# Altium PCB Copy of PCB.PcbDoc (part 1 of 3)
Units mm, origin at the board's own origin, x right, y up, seen from the top; angles counter-clockwise.
Board outline 229 x 100 mm, 4 copper layers (Top Layer 1, Inner Layer 2, Inner Layer 3, Bottom Layer 4), stack 1.586 mm thick; 164 components, 97 nets, 426 pads, 765 vias.
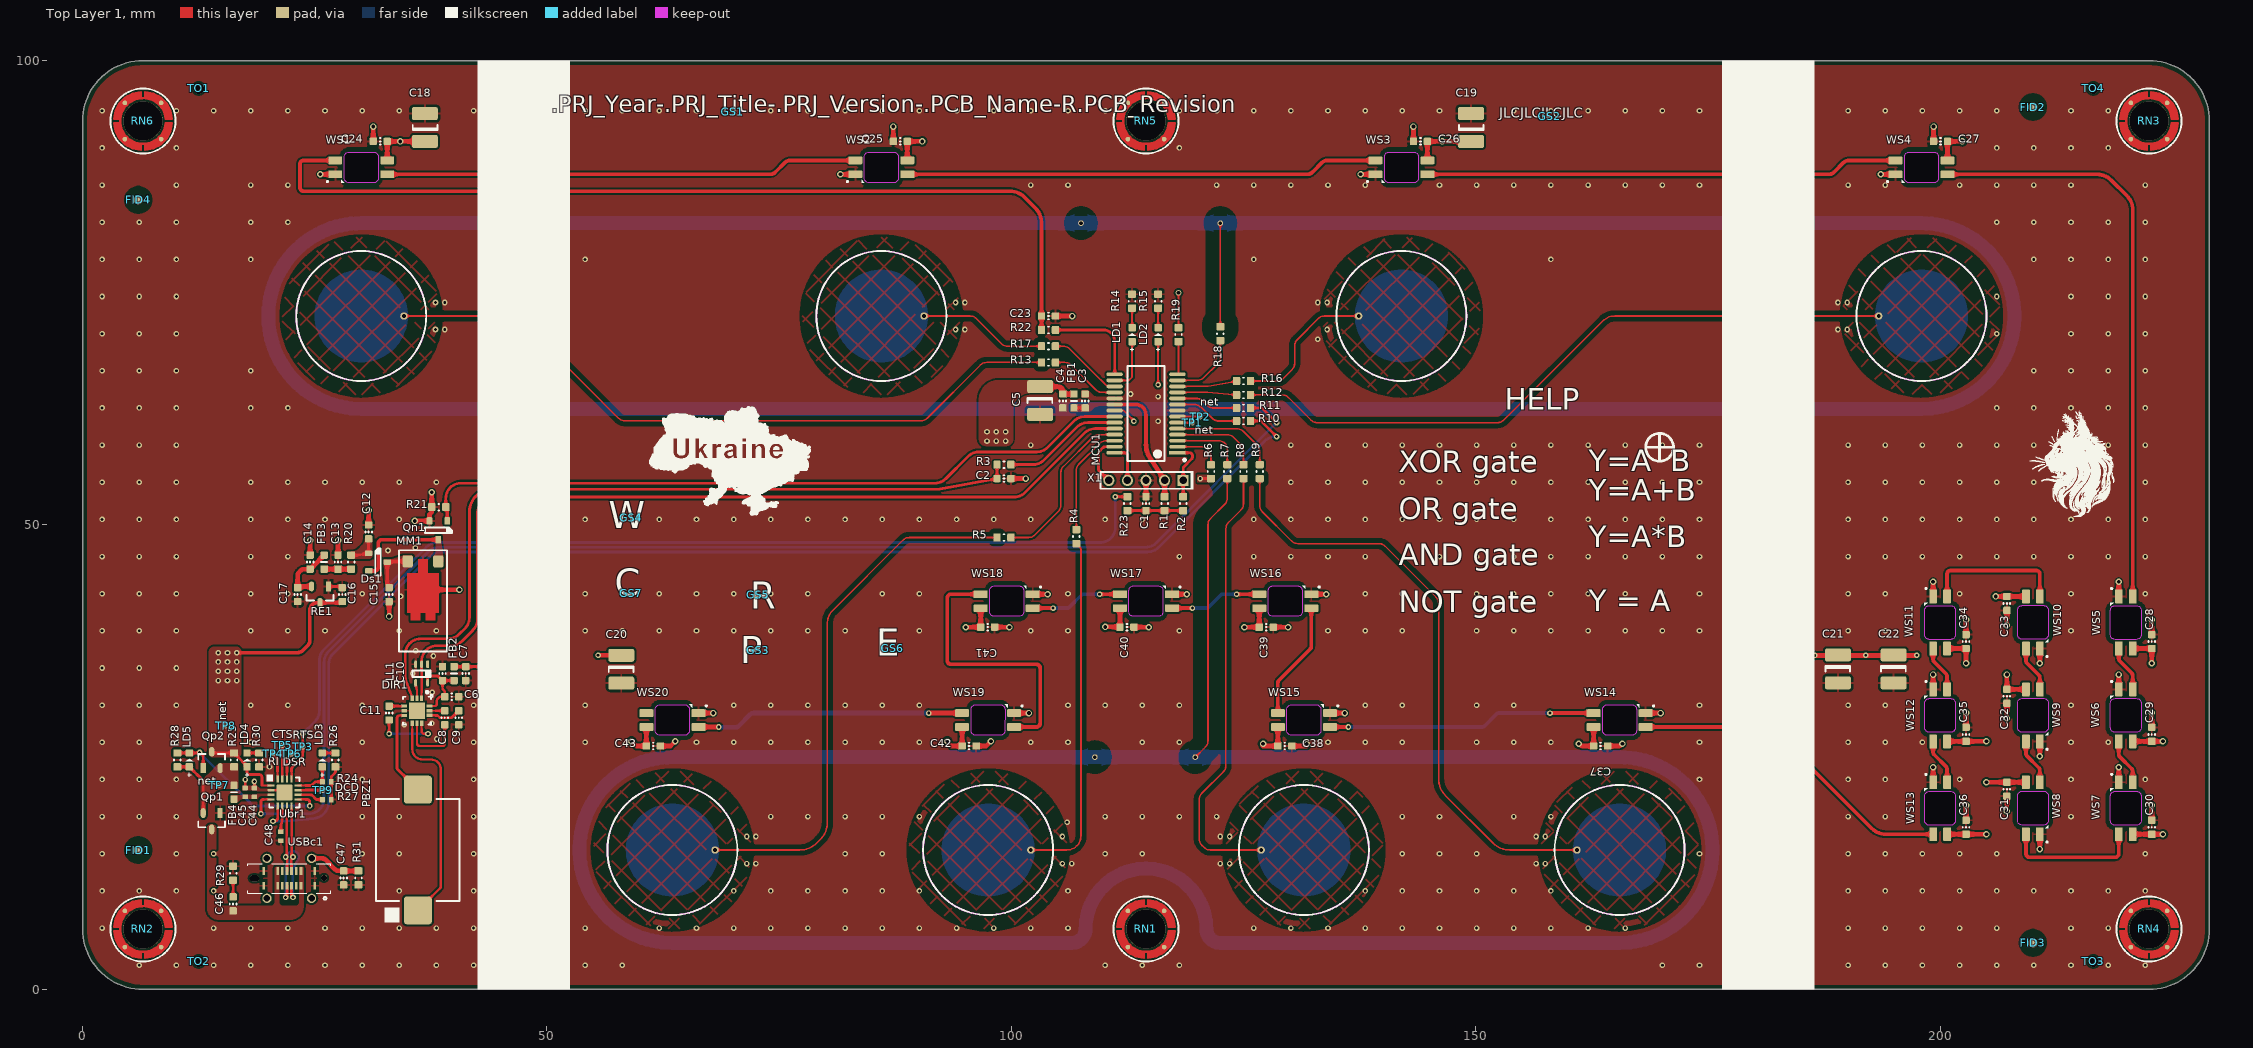
[diagram p0: Top Layer 1 view]
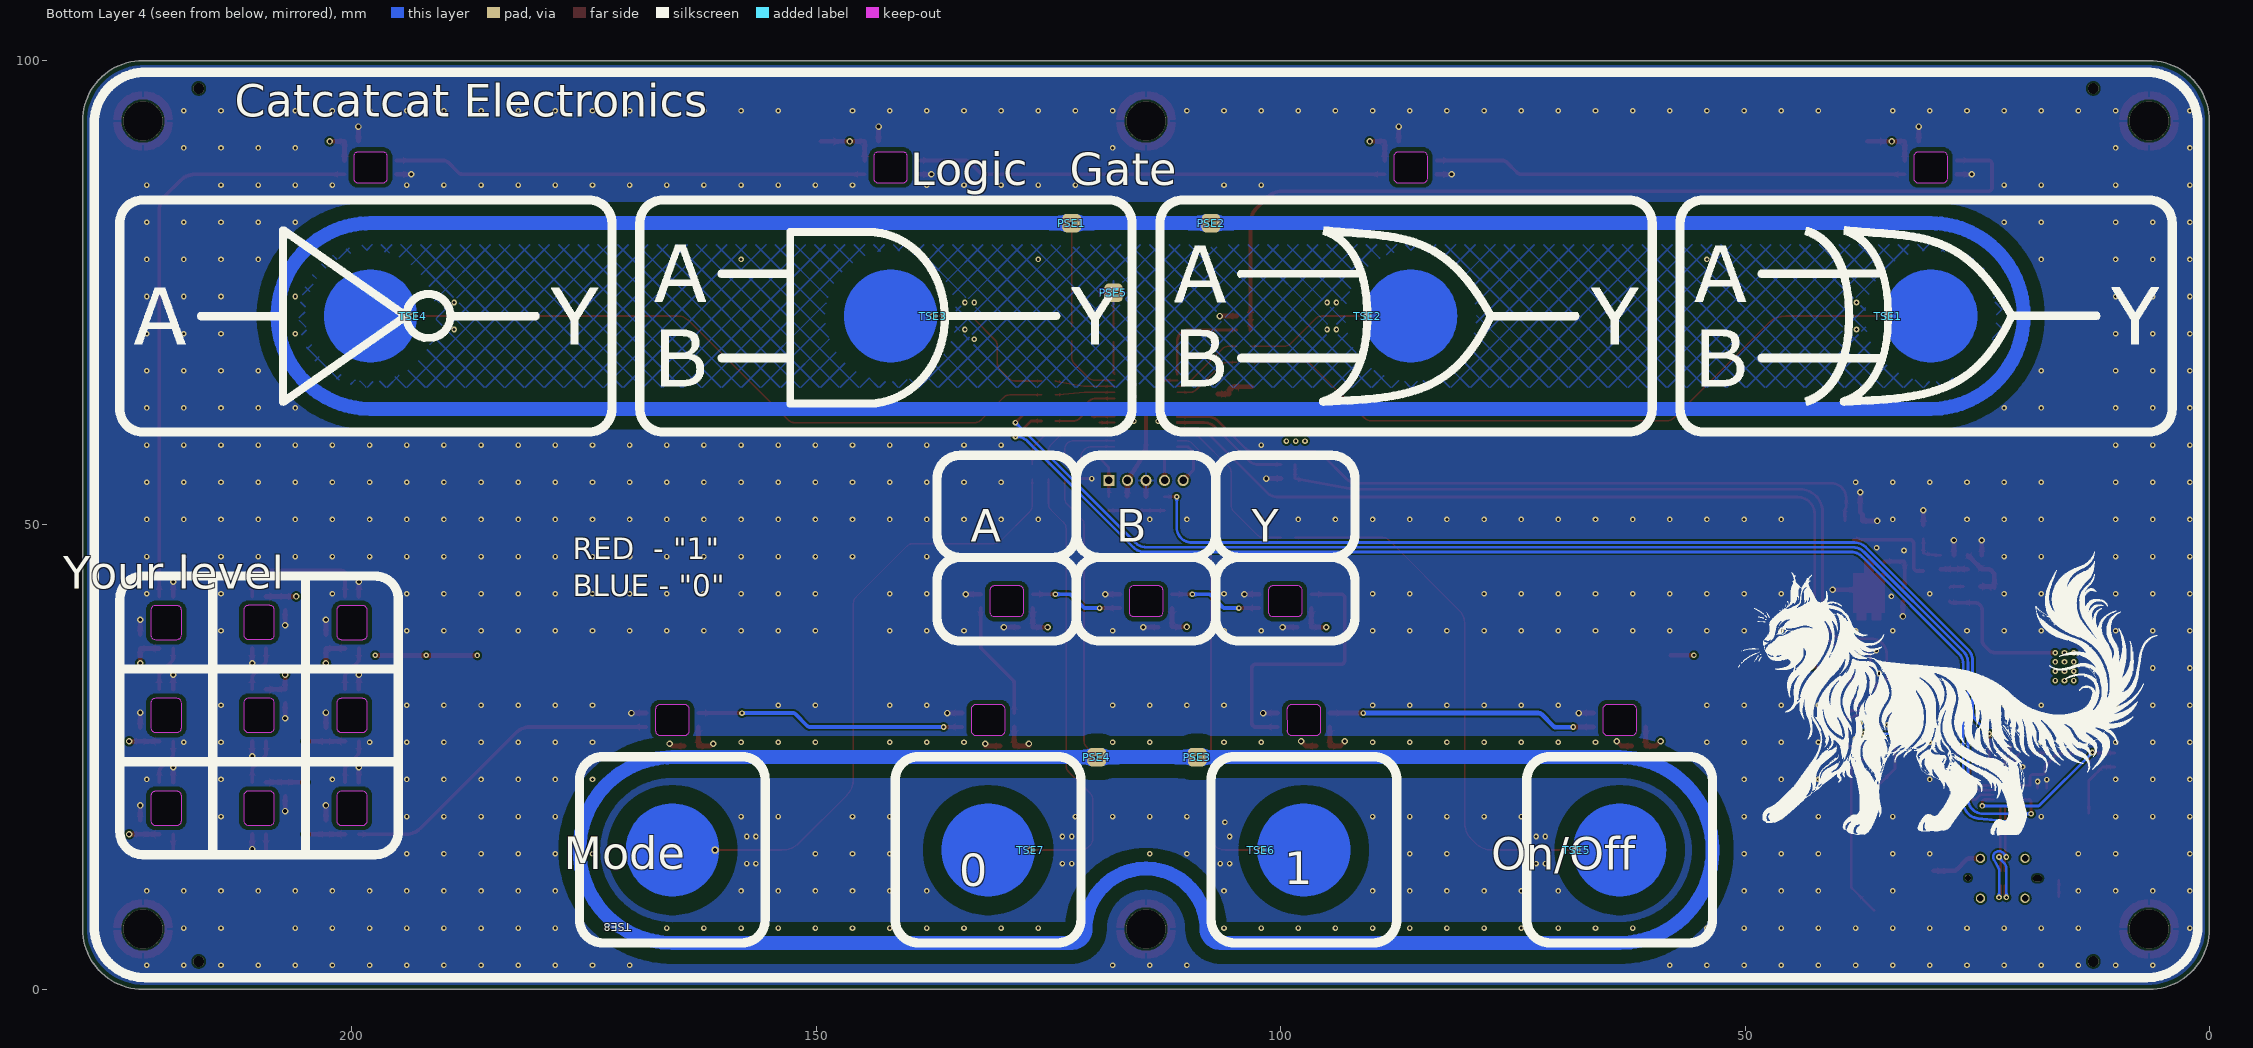
[diagram p1: Bottom Layer 4 view, seen from below]
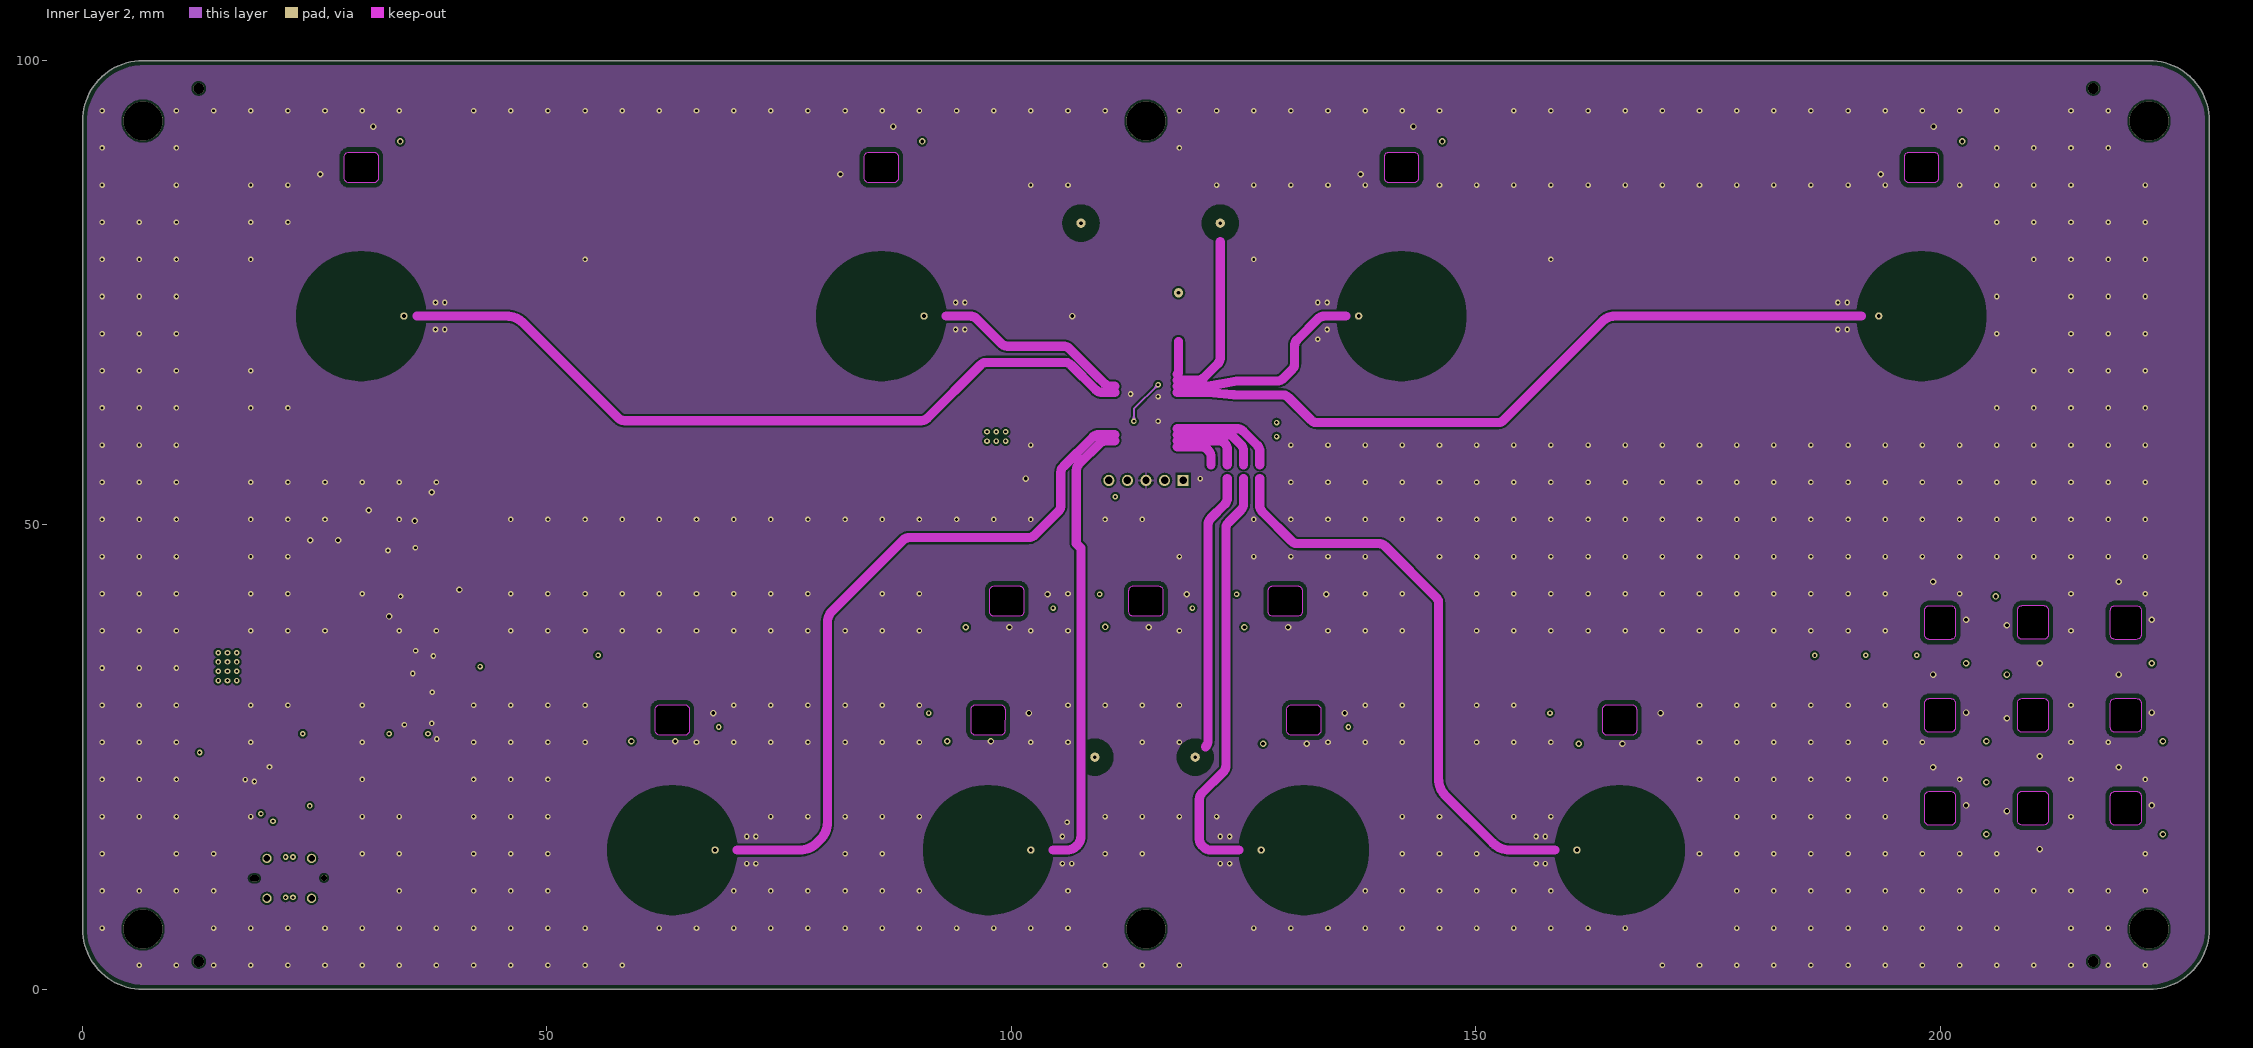
[diagram p2: Inner Layer 2]
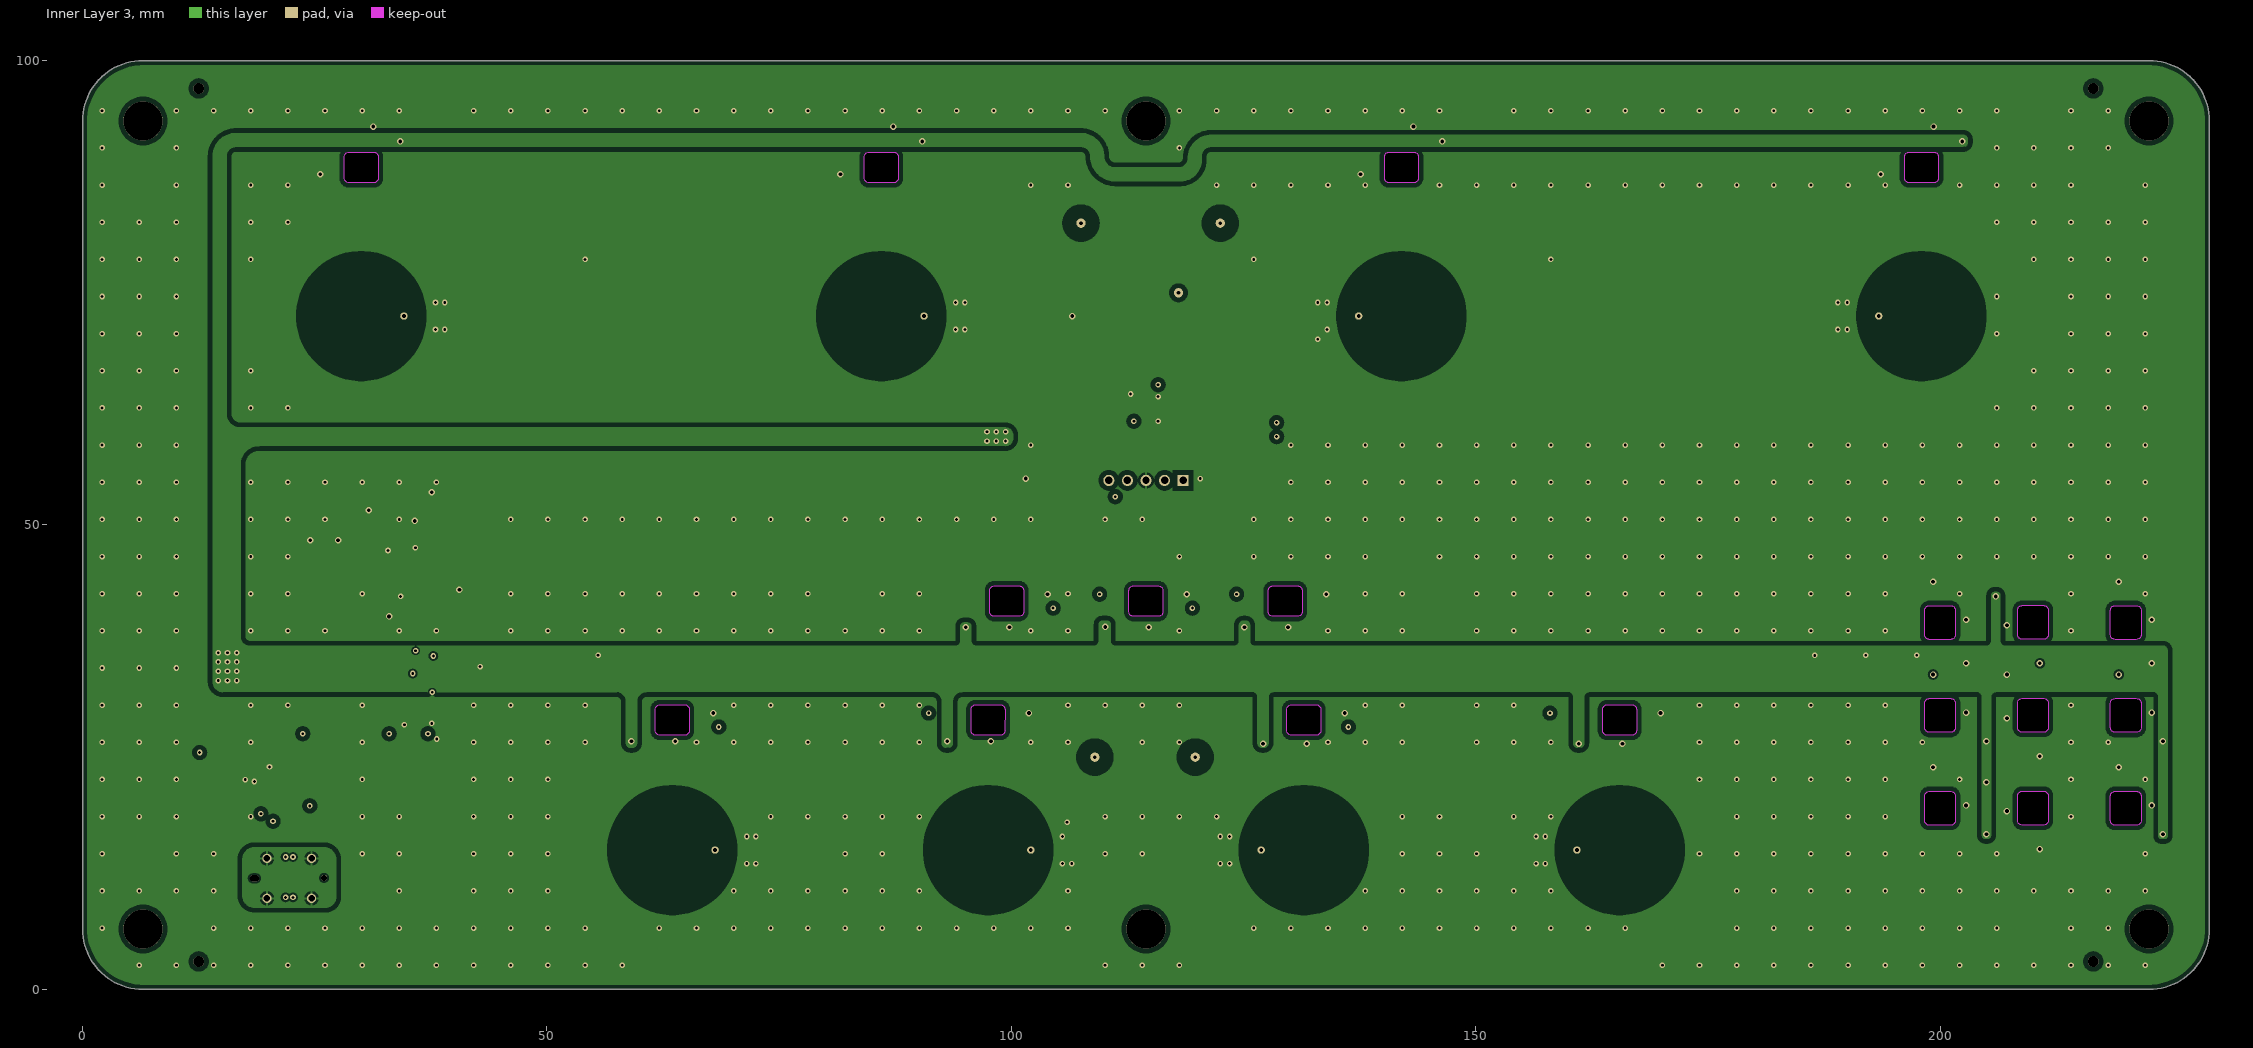
[diagram p3: Inner Layer 3]

## Layer stack, top to bottom
Top Solder Mask: solder mask 0.015, Solder Resist, Dk 3.8
Top Layer 1: signal copper 0.035
Dielectric 1: prepreg 0.2104, 7628*1, Dk 4.6
Inner Layer 2: signal copper 0.0152
Core: core 1.065, FR-4, Dk 4.6
Inner Layer 3: signal copper 0.0152
Dielectric 2: prepreg 0.2104, 7628*1, Dk 4.6
Bottom Layer 4: signal copper 0.035
Bottom Solder Mask: solder mask 0.015, Solder Resist, Dk 3.8

## Board outline
6.5,0 cw(c6.5,6.5) 0,6.5 0,93.5 cw(c6.5,93.5) 6.5,100 222.5,100 cw(c222.5,93.5) 229,93.5 229,6.5 cw(c222.5,6.5) 222.5,0

## Design rules (kind name [scope] priority, off if disabled: settings)
AcuteAngle [All] p1: minimum=6.00000000000000E+0001 checktracksonly=FALSE
BackDrilling BackDrilling_1 [InNet('BUZZER')] p1: maxstublength=0.381 usetopbackdrill=TRUE usebottombackdrill=TRUE holeoversize=0.025 holetolplus=0 holetolminus=0
BoardOutlineClearance Overley [OnSilkscreen] p1: gap=0.4 ignorepadtopadclearanceinfootprint=FALSE
BoardOutlineClearance "Top Bottom" [OnOutside] p2: gap=0.5 ignorepadtopadclearanceinfootprint=FALSE
BoardOutlineClearance "On Copper" [OnCopper] p3: gap=0.5 ignorepadtopadclearanceinfootprint=FALSE
BoardOutlineClearance [All] p4: gap=0.5 ignorepadtopadclearanceinfootprint=FALSE except(0: Arc-OutlineEdge Track-OutlineEdge SMDPad-OutlineEdge THPad-OutlineEdge Via-OutlineEdge Fill-OutlineEdge Poly-OutlineEdge Region-OutlineEdge Text-OutlineEdge)
Clearance Clearance_dir1 [InComponent('DIR1')] p1: gap=0.15 ignorepadtopadclearanceinfootprint=FALSE except(0: Arc-Hole Track-Hole SMDPad-Hole THPad-Hole Via-Hole Fill-Hole Poly-Hole Region-Hole Text-Hole)
Clearance Clearance_PS1 [InNet('PS1') vs InPolygon] p2: gap=1.5 ignorepadtopadclearanceinfootprint=FALSE
Clearance Clearance_PS2 [InNet('PS2') vs InPolygon] p3: gap=1.5 ignorepadtopadclearanceinfootprint=FALSE
Clearance Clearance_TS [InNet('L0') or InNet('L1') or InNet('MODE')or InNet('AND') or InNet('NO') or InNet('ON_OFF') or InNet('OR') or InNet('PS1') or InNet('PS2') or InNet('XOR') vs InPolygon] p4: gap=0.5 ignorepadtopadclearanceinfootprint=FALSE except(0: Arc-Hole Track-Hole SMDPad-Hole THPad-Hole Via-Hole Fill-Hole Poly-Hole Region-Hole Text-Hole)
Clearance Clearance_POL_GND [InNamedPolygon('GND_L03_P064')] p5: gap=0.5 ignorepadtopadclearanceinfootprint=FALSE
Clearance Clearance_Pol [InNamedPolygon('PolSH')] p6: gap=2 ignorepadtopadclearanceinfootprint=FALSE except(0: Arc-Hole Track-Hole SMDPad-Hole THPad-Hole Via-Hole Fill-Hole Poly-Hole Region-Hole Text-Hole)
Clearance Clearance_1 [(ExistsOnLayer('Inner Layer 2') Or ExistsOnLayer('Inner Layer 3')) vs (ExistsOnLayer('Inner Layer 2') Or ExistsOnLayer('Inner Layer 3'))] p7: gap=0.2 ignorepadtopadclearanceinfootprint=FALSE except(0: Arc-Hole Track-Hole SMDPad-Hole THPad-Hole Via-Hole Fill-Hole Poly-Hole Region-Hole Text-Hole)
Clearance Clearance_2 [(ExistsOnLayer('Top Layer 1') Or ExistsOnLayer('Bottom Layer 4')) vs (ExistsOnLayer('Top Layer 1') Or ExistsOnLayer('Bottom Layer 4'))] p8: gap=0.2 ignorepadtopadclearanceinfootprint=FALSE except(0: Arc-Hole Track-Hole SMDPad-Hole THPad-Hole Via-Hole Fill-Hole Poly-Hole Region-Hole Text-Hole)
Clearance Clearance_6 [(ExistsOnLayer('Inner Layer 2') Or ExistsOnLayer('Inner Layer 3')) vs (ExistsOnLayer('Inner Layer 2') Or ExistsOnLayer('Inner Layer 3'))] p9: gap=0.254 ignorepadtopadclearanceinfootprint=FALSE except(0: Arc-Hole Track-Hole SMDPad-Hole THPad-Hole Via-Hole Fill-Hole Poly-Hole Region-Hole Text-Hole)
Clearance Clearance_7 [(ExistsOnLayer('Top Layer 1') Or ExistsOnLayer('Bottom Layer 4')) vs (ExistsOnLayer('Top Layer 1') Or ExistsOnLayer('Bottom Layer 4'))] p10: gap=0.254 ignorepadtopadclearanceinfootprint=FALSE except(0: Arc-Hole Track-Hole SMDPad-Hole THPad-Hole Via-Hole Fill-Hole Poly-Hole Region-Hole Text-Hole)
Clearance Clearance_3 [(ExistsOnLayer('Inner Layer 2') Or ExistsOnLayer('Inner Layer 3')) vs (ExistsOnLayer('Inner Layer 2') Or ExistsOnLayer('Inner Layer 3'))] p11: gap=0.2 ignorepadtopadclearanceinfootprint=FALSE except(0: Arc-Hole Track-Hole SMDPad-Hole THPad-Hole Via-Hole Fill-Hole Poly-Hole Region-Hole Text-Hole)
Clearance Clearance_4 [(ExistsOnLayer('Top Layer 1') Or ExistsOnLayer('Bottom Layer 4')) vs (ExistsOnLayer('Top Layer 1') Or ExistsOnLayer('Bottom Layer 4'))] p12: gap=0.2 ignorepadtopadclearanceinfootprint=FALSE except(0: Arc-Hole Track-Hole SMDPad-Hole THPad-Hole Via-Hole Fill-Hole Poly-Hole Region-Hole Text-Hole)
Clearance Clearance_5 [(ExistsOnLayer('Inner Layer 2') Or ExistsOnLayer('Inner Layer 3')) vs (ExistsOnLayer('Inner Layer 2') Or ExistsOnLayer('Inner Layer 3'))] p13: gap=0.2 ignorepadtopadclearanceinfootprint=FALSE except(0: Arc-Hole Track-Hole SMDPad-Hole THPad-Hole Via-Hole Fill-Hole Poly-Hole Region-Hole Text-Hole)
Clearance Clearance_8 [(ExistsOnLayer('Top Layer 1') Or ExistsOnLayer('Bottom Layer 4')) vs (ExistsOnLayer('Top Layer 1') Or ExistsOnLayer('Bottom Layer 4'))] p14: gap=0.2 ignorepadtopadclearanceinfootprint=FALSE except(0: Arc-Hole Track-Hole SMDPad-Hole THPad-Hole Via-Hole Fill-Hole Poly-Hole Region-Hole Text-Hole)
Clearance [All] p15: gap=0.2 ignorepadtopadclearanceinfootprint=FALSE except(0: Arc-Hole Track-Hole SMDPad-Hole THPad-Hole Via-Hole Fill-Hole Poly-Hole Region-Hole Text-Hole)
ComponentClearance [All] p1: gap=0 collisioncheckmode=3 verticalgap=0 showdistances=FALSE
ComponentOrientations [All] p1: allowedrotations=32
Creepage [All] p1: checkdistance=1
DiffPairsRouting DiffPairsRoutingUSB2 [WithinRoom('RoomUSB') and OnLayer ('Top Layer 1')] p1: maxlimit=0.2 minlimit=0.2 mostfreqgap=0.2 toplayer_minwidth=0.2 toplayer_maxwidth=0.2 toplayer_prefwidth=0.2 midlayer1_minwidth=0.2 midlayer1_maxwidth=0.2 midlayer1_prefwidth=0.2 midlayer2_minwidth=0.2 midlayer2_maxwidth=0.2 midlayer2_prefwidth=0.2 bottomlayer_minwidth=0.2 bottomlayer_maxwidth=0.2 bottomlayer_prefwidth=0.2 maxuncoupledlength=12.7
DiffPairsRouting DiffPairsRoutingUSB [InDifferentialPair('D')] p2: maxlimit=0.2 minlimit=0.127 mostfreqgap=0.2 toplayer_mingap=0.2 toplayer_minwidth=0.266 toplayer_maxwidth=0.266 toplayer_prefwidth=0.266 midlayer1_maxgap=0.127 midlayer1_prefgap=0.127 midlayer1_minwidth=0.125 midlayer1_maxwidth=0.125 midlayer1_prefwidth=0.125 midlayer2_maxgap=0.127 midlayer2_prefgap=0.127 midlayer2_minwidth=0.125 midlayer2_maxwidth=0.125 midlayer2_prefwidth=0.125 bottomlayer_mingap=0.2 bottomlayer_minwidth=0.266 bottomlayer_maxwidth=0.266 bottomlayer_prefwidth=0.266 impedanceprofiledriven=TRUE impedanceprofileid={1138ECFE-AB76-48E2-BE25-6D32A07380DC} impedanceprofilevalue=90.000000 maxuncoupledlength=12.7
Height [All] p1: minheight=0 maxheight=30 prefheight=15
HoleSize [All] p1: absolutevalues=TRUE maxlimit=6 minlimit=0.3 maxpercent=80.000 minpercent=20.000
HoleToHoleClearance [All] p1: gap=0.5 allowstackedmicrovias=TRUE
MatchedLengths [All] p1: tolerance=1 checknetsindiffpair=FALSE checkdiffpairvsdiffpair=TRUE checkxsignals=TRUE checkothers=TRUE
MaximumViaCount MaximumViaCount_1 [InNet('BUZZER')] p1: limit=2
MinimumAnnularRing [All] p1: minimumring=0.13
MinimumSolderMaskSliver [All] p1: minsoldermaskwidth=0.1
NetsToIgnore [All] p1:
PasteMaskExpansion [All] p1: expansion=-0.05
PermittedLayers [All] p1: toplayerpermitted=TRUE bottomlayerpermitted=TRUE
PlaneClearance [All] p1: clearance=0.2
PlaneConnect [All] p1: pad.planeconnectstyle=Relief pad.reliefexpansion=0.2 pad.reliefentries=4 pad.reliefconductorwidth=0.3 pad.reliefairgap=0.2 via.planeconnectstyle=Direct via.reliefexpansion=0.2 via.reliefentries=4 via.reliefconductorwidth=0.2 via.reliefairgap=0.2
PolygonConnect [All] p1: connectstyle=Relief reliefconductorwidth=0.254 reliefentries=4 polygonreliefangle="90 Angle" airgapwidth=0.254
RoomDefinition RoomUSB [InComponent('Ubr1')] p1: confinementstyle=ConfineIn formatcopy=TRUE lockcomponents=FALSE outline 19.5,23.45 24,23.45 24,18.95 19.5,18.95
RoomDefinition RoomBEEP [HasFootprint('FP-U-QFN3030-12_Type_B-IPC_C')] p2: confinementstyle=ConfineIn formatcopy=TRUE lockcomponents=FALSE outline 34,32 38,32 38,28 34,28
RoutingCorners [All] p1: cornerstyle=Round minsetback=3 maxsetback=0.3
RoutingVias [All] p1: holewidth=0.3 width=0.6 viastyle="Through Hole" minholewidth=0.25 minwidth=0.45 maxholewidth=2.5 maxwidth=3
SMDEntry [All] p1: side=TRUE corner=TRUE anyangle=TRUE
SMDNeckDown [All] p1: percent=50.000
SMDToCorner [All] p1: distance=39370
SMDToPlane [All] p1: distance=196850
SilkToSilkClearance [All] p1: silktosilkclearance=0.15
SilkToSolderMaskClearance [IsPad] p1: minsilkscreentomaskgap=0.15 clearancetoexposedcopper=TRUE
SolderMaskExpansion [All] p1: expansion=0.05 istentingtop=TRUE
StubLength DaisyChainStubLength_1 [InNet('BUZZER')] p1: limit=0.3
UnRoutedNet [All] p1: checkbadconnections=TRUE
UnpouredPolygon [All] p1: allowunpoured=TRUE allowshelved=TRUE
Width Width_USB [WithinRoom('RoomUSB') and OnLayer ('Top Layer 1')] p1: maxlimit=0.2 minlimit=0.2 preferedwidth=0.2
Width WidthBEEP [WithinRoom('RoomBEEP') and OnLayer ('Top Layer 1')] p2: maxlimit=0.2 minlimit=0.2 preferedwidth=0.2
Width [All] p3: maxlimit=5 minlimit=0.15 preferedwidth=0.3